# Allegro board 08_038702e.brd (continued)
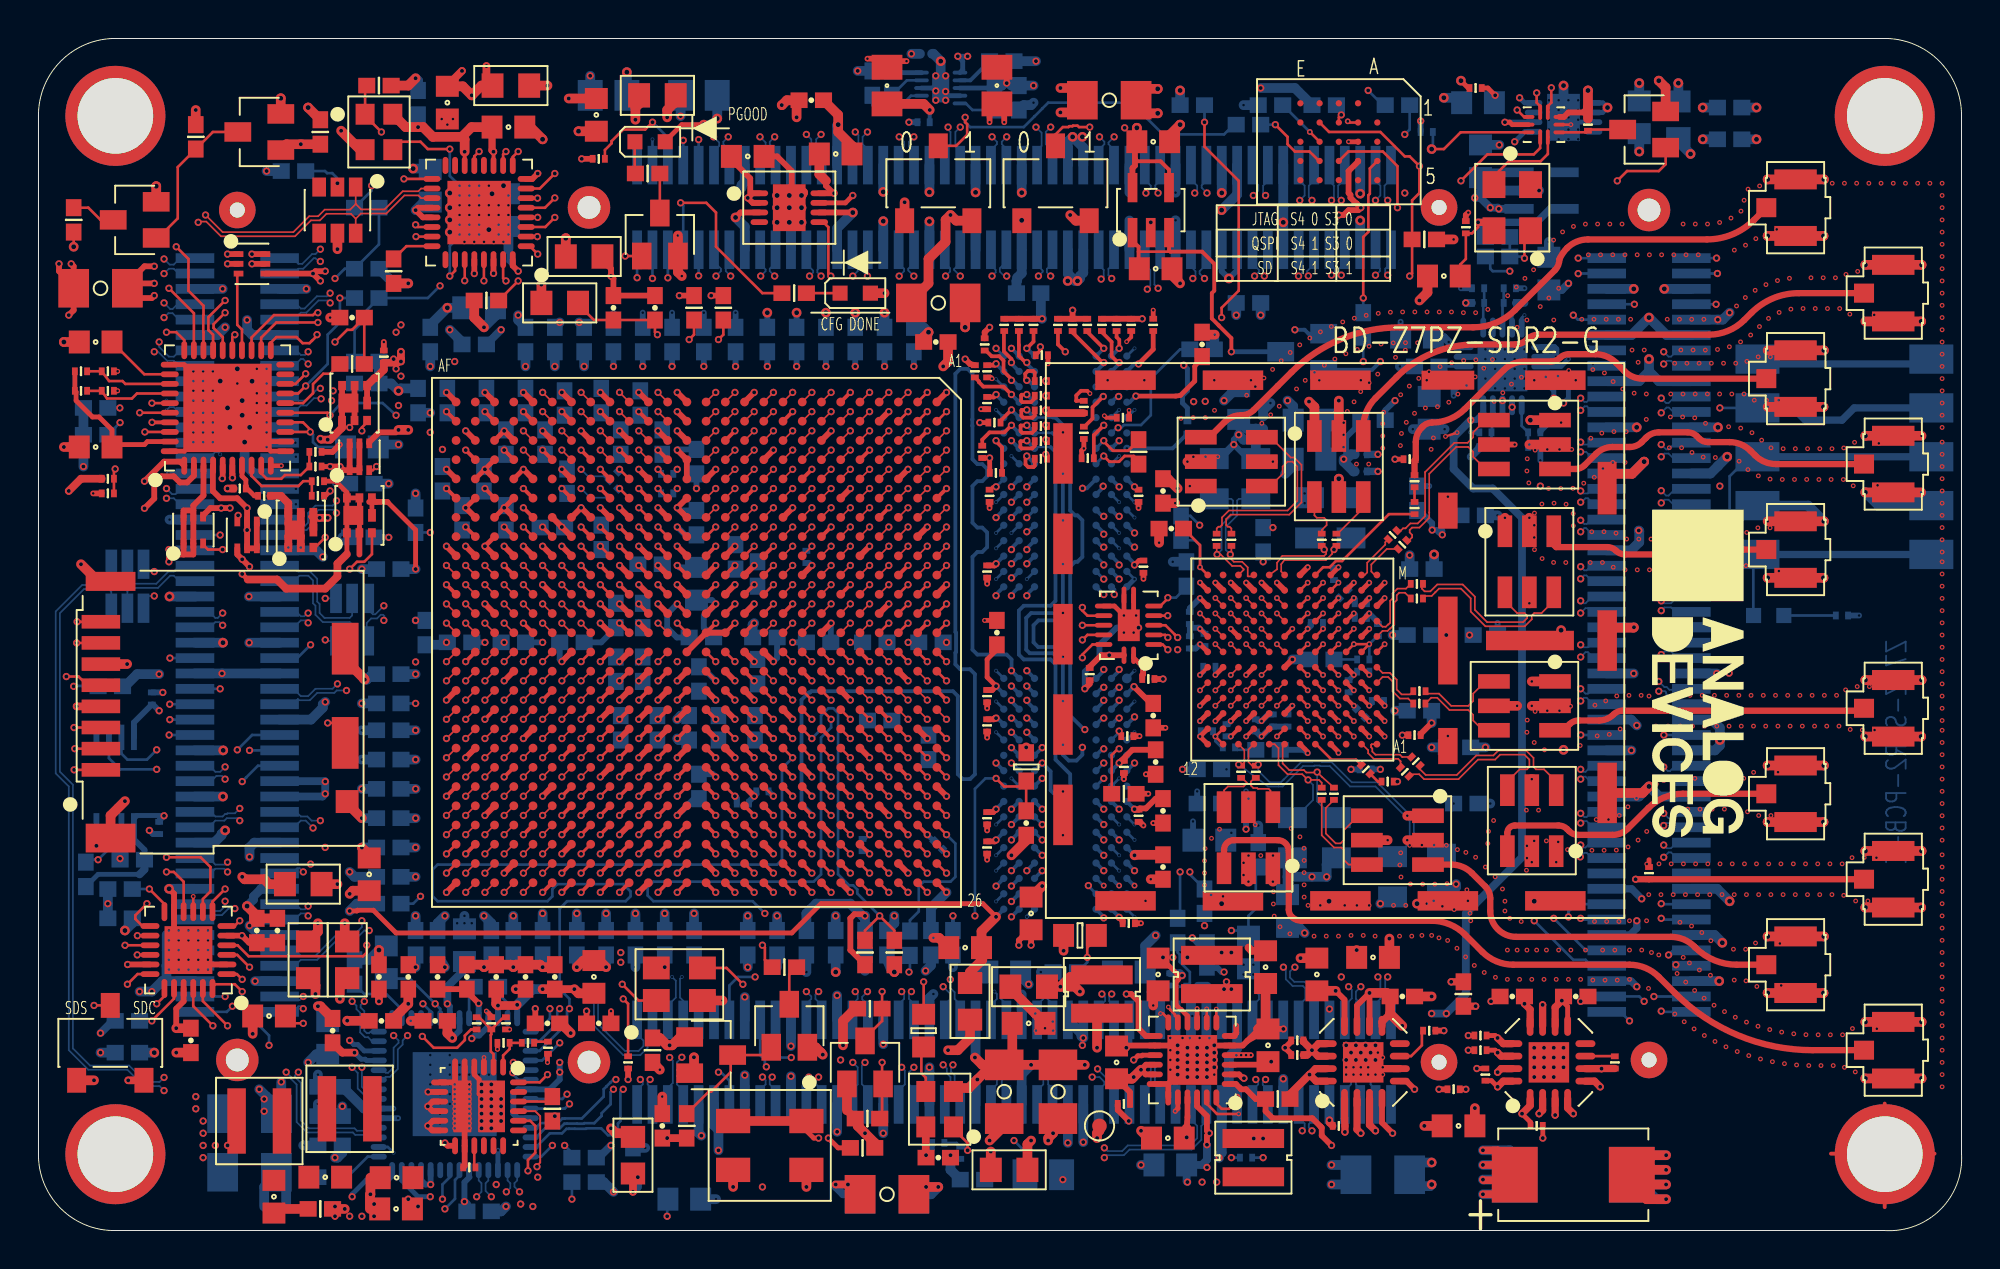
[diagram p0: board, top side]
## Routing (per net, layer and track width the routed paths; a pad name or vN(x,y) marks a point on that pad's centre or on a via; arc(x,y) is an arc through that point) (continued)
  BOTTOM w0.14: R28.2 67.74,58.27 v1(67.74,58.02)
PS_MIO02_500_QSPI0_IO0: length 70.9
  TOP w0.14: U1.E25 v1(43.22,18.59) ; v6(66.11,57.13) U13.D3
  L7_SIG w0.095: v6(66.11,57.13) 68.76,57.13 69.71,58.08 72,58.08 74.35,55.73 74.35,52.31 72.63,50.59 72.63,42.88 72.44,42.69 72.44,38.97 68.89,35.41 68.12,35.41 67.5,34.79 67.47,34.79 67.08,34.4 66.98,34.4 66.3,33.72 66.3,32.77 66.12,32.59 66.02,32.59 63.9,30.47 63.9,30.37 63.72,30.19 63.62,30.19 62.3,28.87 62.3,28.77 62.12,28.59 62.02,28.59 61.5,28.07 61.5,27.97 61.32,27.79 61.22,27.79 60.7,27.27 60.7,27.17 60.52,26.99 60.42,26.99 60,26.57 60,23.86 59.61,23.47 59.51,23.47 58.3,22.25 55.25,22.25 54.57,21.57 49.2,21.57 48.69,21.06 45.17,21.06 43.78,19.67 43.78,19.2 43.22,18.63 v1(43.22,18.59)
  BOTTOM w0.14: R120.1 64.71,58.53 v6(66.11,57.13)
PS_MIO03_500_QSPI0_IO1: length 67.7
  TOP w0.14: U13.D2 67.11,57.13 69.78,57.13 71.05,55.86 71.3,55.86 v1(71.81,55.35) 71.81,53.96 71.43,53.58 R119.1 71.43,49.77 v1(71.3,49.64) ; U1.D25 v1(44.22,18.59)
  L7_SIG w0.095: v1(44.22,18.59) 43.78,18.15 43.17,18.15 42.85,18.47 42.85,19.74 45.04,21.93 47.36,21.93 47.46,21.83 48.69,21.83 49.2,22.33 51.36,22.33 51.74,22.71 58.35,22.71 59.11,23.48 59.11,24.11 59.74,24.75 59.74,27.03 60.1,27.39 60.1,27.42 60.47,27.79 60.52,27.79 60.7,27.97 60.7,28.02 61.07,28.39 61.13,28.39 61.5,28.77 61.5,28.82 62.87,30.19 62.92,30.19 63.1,30.37 63.1,30.42 63.47,30.79 63.53,30.79 63.9,31.17 63.9,31.19 64.31,31.6 64.57,31.6 65.58,32.62 65.58,35.03 66.35,35.8 68.89,35.8 72.19,39.1 72.19,42.75 72.41,42.97 72.41,43.25 72.19,43.47 72.19,45.32 71.17,46.34 71.17,48.87 71.43,49.13 71.43,49.51 v1(71.3,49.64)
PS_MIO04_500_QSPI0_IO2: length 74.3
  TOP w0.14: v1(70.66,53.19) 70.66,55.35 69.9,56.12 68.11,56.12 U13.C4 ; U1.F24 v1(42.22,19.59)
  L7_SIG w0.095: v1(42.22,19.59) 42.22,20.11 41.88,20.45 41.88,20.73 42.17,21.03 42.86,21.03 42.98,21.15 43.26,21.15 43.65,21.54 43.65,21.82 43.98,22.15 44.3,22.15 45.07,22.93 47.36,22.93 47.84,22.45 48.69,22.45 49.02,22.78 51.18,22.78 51.56,23.16 58.16,23.16 58.66,23.66 58.66,24.3 59.3,24.93 59.3,27.6 59.62,27.92 59.62,29.06 60.38,29.83 60.96,29.83 61.7,30.56 61.7,30.62 62.07,30.99 62.18,30.99 62.5,31.31 62.5,31.42 62.67,31.59 62.78,31.59 63.3,32.11 63.3,32.22 63.67,32.59 63.72,32.59 64.1,32.96 64.1,33.02 64.27,33.19 64.33,33.19 64.7,33.57 64.7,33.82 64.7,33.82 64.7,35.29 66.85,37.45 66.85,39.35 67.24,39.73 67.87,39.73 68.25,39.35 68.25,36.94 68.44,36.75 68.82,36.75 71.3,39.22 71.3,44.3 70.28,45.32 70.28,48.88 70.66,49.26 v1(70.66,53.19) 70.66,56.62 v1(71.05,57)
  BOTTOM w0.14: v1(71.05,57) 71.3,57.26 R121.1
PS_MIO05_500_QSPI0_IO3: length 68.3
  TOP w0.14: U1.C26 v1(45.22,17.59) ; v1(64.31,57.51) 64.95,56.88 64.95,56.5 65.33,56.12 66.09,56.12 66.58,55.62 U13.D4
  L7_SIG w0.095: v1(45.22,17.59) 45.22,17.59 44.76,17.13 43.23,17.13 43.11,17.25 43.07,17.25 42.88,17.45 42.88,17.48 42.11,18.25 42.07,18.25 41.88,18.45 41.88,20.13 41.65,20.36 41.65,20.82 42.08,21.25 42.56,21.25 42.88,21.57 42.88,21.73 43.22,22.07 43.48,22.07 43.88,22.47 43.88,22.73 44.07,22.93 44.33,22.93 44.5,23.1 44.7,23.1 44.76,23.15 47.45,23.15 47.63,22.97 48.89,22.97 48.92,23 51.08,23 51.46,23.38 51.58,23.38 52.05,23.85 52.33,23.85 52.81,23.38 54.57,23.38 55.04,23.86 57.58,23.86 58.85,25.13 58.85,28.68 59.23,29.06 59.23,29.32 60.11,30.19 60.52,30.19 60.7,30.37 60.7,30.53 61.16,30.99 61.32,30.99 61.5,31.17 61.5,31.33 61.96,31.79 62.12,31.79 62.3,31.97 62.3,32.13 62.76,32.59 62.92,32.59 63.1,32.77 63.1,32.93 63.56,33.39 63.72,33.39 63.9,33.57 63.9,34.52 64.02,34.64 64.02,35.25 65.58,36.81 65.58,45.7 66.6,46.72 66.6,55.1 65.08,56.62 65.08,56.75 v1(64.31,57.51)
  BOTTOM w0.14: R122.1 v1(64.31,57.51)
PS_MIO06_500_QSPI0_SCLK: length 68.6
  TOP w0.14: v1(60.63,57.64) 60.63,56.37 62.41,54.59 62.41,48.88 61.52,47.99 v1(61.52,47.48) ; U1.F23 v1(42.22,20.59) ; v6(68.08,57.69) 68.12,57.69 68.19,57.62 U13.B2
  L3_SIG w0.095: v1(61.52,47.48) 61.52,47.61 61.27,47.86 55.42,47.86 54.92,47.35 53.01,47.35 52.5,47.86 49.46,47.86 48.82,47.23 48.82,43.42 47.55,42.15 47.17,42.15 46.79,41.76 46.79,22.33 46.53,22.08 45.01,22.08 44.61,21.68 44.61,19.5 44.36,19.25 44.07,19.25 43.25,20.07 42.7,20.07 42.22,20.56 v1(42.22,20.59)
  L17_SIG w0.095: v6(68.08,57.69) 67.89,57.69 67.88,57.68 65.84,57.68 65.37,58.15 61.14,58.15 v1(60.63,57.64)
  BOTTOM w0.14: R116.1 v1(60.63,57.64)
PS_MIO07_500_USB_RESET_B: length 46.4
  TOP w0.14: U1.E23 v1(43.22,20.59) ; U15.27 v1(22.16,49.4)
  L3_SIG w0.095: v1(43.22,20.59) 43.2,20.59 42.76,21.03 40.3,21.03 38.4,22.93 38.32,22.93 38,23.25 37.03,23.25 36.36,23.93 35.41,23.93 35.09,24.25 35.07,24.25 34.88,24.45 34.88,24.47 33.09,26.25 33.07,26.25 31.88,27.45 31.88,27.47 31.09,28.25 31.07,28.25 29.88,29.45 29.88,29.73 29.9,29.75 29.9,30.46 30.79,31.35 30.79,43.92 30.11,44.6 29.76,44.6 29.56,44.8 29.56,45.15 28.12,46.59 27.18,46.59 25.38,48.39 24.21,48.39 23.55,47.73 22.86,47.73 22.15,48.44 22.15,49.38 v1(22.16,49.4)
  BOTTOM w0.14: v1(43.22,20.59) 42.99,20.36 R31.2
PS_MIO08_500_ETH0_RESETN: length 50.9
  TOP w0.14: U1.A24 v1(47.22,19.59)
  L14_SIG w0.095: v3(18.98,4.05) 18.98,3.73 19.93,2.78 24.31,2.78 25.41,3.88 27.24,3.88 27.46,3.66 30.41,3.66 31.04,4.3 32.95,4.3 34.12,5.47 44.09,5.47 v3(45.14,4.43)
  L18_SIG w0.095: v1(47.22,19.59) 47.65,19.16 47.93,19.16 48.06,19.29 48.06,19.99 48.24,20.17 48.51,20.17 48.69,19.99 48.69,17.25 49.07,16.87 49.07,14.46 48.31,13.7 48.31,12.3 45.99,9.98 45.99,7.69 45.26,6.97 45.26,5.82 45.14,5.7 v3(45.14,4.43)
  L19_GND w0.203: v4(18.47,4.05) v3(18.98,4.05)
  BOTTOM w0.14: U10.16 18.17,4.34 v4(18.47,4.05) ; v1(47.22,19.59) 47.01,19.79 R32.2
PS_MIO09_500_USB_CLK_PD: length 57
  TOP w0.14: v1(17.83,57.13) 16.98,57.98 Y3.1 16.98,59.46 R27.1 ; U1.D24 v1(44.22,19.59)
  L3_SIG w0.095: v1(44.22,19.59) 44.22,19.62 43.71,20.12 43.71,21.01 43.48,21.25 42.07,21.25 41.4,21.93 41.36,21.93 41.36,21.93 41.07,21.93 41.07,21.93 40.36,21.93 40.36,21.93 39.93,21.93 39.56,22.31 39.56,22.73 39.36,22.93 39.26,22.93 39.01,23.18 39.01,23.28 38.36,23.93 38.34,23.93 38.28,23.98 36.61,23.98 36.45,24.15 36.17,24.15 31.66,28.67 31.66,31.35 31.65,31.36 31.65,43.82 30.15,45.32 30.15,46.84 29.14,47.86 26.95,47.86 25.55,49.26 25.55,49.79 24.06,51.29 24.06,52.43 19.36,57.13 v1(17.83,57.13)
PS_MIO10_500_JX4: length 42.7
  TOP w0.14: U1.A25 v1(47.22,18.59)
  L15_SIG w0.095: v1(47.22,18.59) 48,18.59 48.57,19.16 52.76,19.16 54.41,17.51 57.84,17.51 58.09,17.76 60.76,17.76 61.27,18.27 64.95,18.27 65.33,17.89 72.82,17.89 73.71,17 76.89,17 77.27,16.62 77.9,16.62 78.54,15.98 78.54,15.86 79.17,15.22 80.32,15.22 80.82,15.73 81.46,15.73 82.22,16.49 84.13,16.49 v1(84.38,16.24)
  BOTTOM w0.14: v1(84.38,16.24) 84.45,16.17 JX4.87
PS_MIO11_500_JX4: length 41.1
  TOP w0.14: U1.B26 v1(46.22,17.59)
  L15_SIG w0.095: v1(80.19,16.24) 80.19,16.87 79.81,17.25 78.79,17.25 76.89,19.16 62.54,19.16 62.03,18.65 61.01,18.65 60.5,18.14 59.11,18.14 58.85,18.4 57.15,18.4 57.13,18.37 54.3,18.37 52.76,19.92 48.19,19.92 47.42,19.16 46.15,19.16 45.77,18.78 45.77,18.03 v1(46.22,17.59)
  BOTTOM w0.14: JX4.88 80.26,16.17 v1(80.19,16.24)
PS_MIO12_500_JX4: length 42.9
  L4_SIG w0.095: v1(45.26,13.44) 45.26,13.06 45.77,12.55 46.28,12.55 47.3,13.57 48.19,13.57 49.46,12.3 53.39,12.3 53.9,12.81 56.82,12.81 57.5,12.13 57.76,12.13 58.85,11.03 70.66,11.03 71.43,11.79 73.46,11.79 75.49,13.82 78.03,13.82 79.68,15.48 79.68,16.18 v1(79.55,16.31)
  BOTTOM w0.14: v1(45.26,13.44) 45.32,13.49 R60.2 ; v1(79.55,16.31) 79.55,16.59 79.94,16.97 JX4.86
PS_MIO13_500_JX4: length 42.9
  TOP w0.14: U1.B25 v1(46.22,18.59)
  L15_SIG w0.095: v1(84.76,14.33) 84.51,14.59 78.03,14.59 76,16.62 71.87,16.62 71.85,16.6 66.5,16.6 66.22,16.87 63.04,16.87 62.54,16.36 57.58,16.36 57.2,16.75 54.66,16.75 53.03,18.37 48.57,18.37 48.33,18.14 46.66,18.14 v1(46.22,18.59)
  BOTTOM w0.14: v1(84.76,14.33) 85,14.57 JX4.91
PS_MIO14_500_JX4: length 48.7
  TOP w0.14: U1.D23 v1(44.22,20.59)
  L15_SIG w0.095: v1(44.22,20.59) 44.22,20.52 43.74,20.05 43.74,18.58 45.07,17.25 45.27,17.25 46.79,15.73 49.2,15.73 49.71,15.22 52.5,15.22 52.88,15.6 57.08,15.6 57.84,14.84 60.63,14.84 61.77,15.98 62.54,15.98 62.66,15.86 65.84,15.86 66.22,16.24 75.87,16.24 78.28,13.82 v1(85.14,13.82)
  BOTTOM w0.14: JX4.93 85.2,13.77 v1(85.14,13.82)
PS_MIO15_500_JX4: length 44.2
  TOP w0.14: U1.C24 v1(45.22,19.59)
  L15_SIG w0.095: v1(45.22,19.59) 45.8,20.17 47.68,20.17 48.19,20.68 52.88,20.68 54.41,19.16 59.1,19.16 59.21,19.05 59.51,19.05 59.62,19.16 62.03,19.16 62.41,19.54 79.3,19.54 79.94,18.9 82.48,18.9 82.84,18.54 82.91,18.61 83.19,18.61 83.39,18.41 83.39,18.13 83.32,18.06 v1(84.38,17)
  BOTTOM w0.14: JX4.85 84.41,16.97 v1(84.38,17)
PS_MIO16_501_ETH0_TX_CLK: length 51.3
  TOP w0.14: U1.G21 v1(41.22,22.59)
  L17_SIG w0.095: v1(41.22,22.59) 41.2,22.59 40.54,21.93 37.73,21.93 37.47,22.19 36.96,22.19 36.92,22.15 36.9,22.16 36.61,22.16 36.42,21.97 36.42,21.93 35.49,21.93 35.42,22 31.21,22 31.14,21.93 31.07,21.93 29.64,20.5 29.64,17.25 29.9,17 29.9,16.36 30.53,15.73 33.2,15.73 33.71,16.24 33.71,18.73 34.01,19.03 34.43,19.03 34.72,18.73 34.72,15.98 33.83,15.09 31.17,15.09 30.91,14.84 30.91,13.7 30.66,13.44 30.15,13.44 29.9,13.19 29.9,11.92 30.15,11.67 30.41,11.67 30.66,11.41 30.66,11.16 30.41,10.9 28.22,10.9 28.01,10.7 28.01,10.34 28.22,10.14 30.15,10.14 30.41,9.89 30.41,8.36 30.02,7.98 v1(30.02,7.86)
  BOTTOM w0.14: v1(30.02,7.86) 29.9,7.86 29.75,7.71 29.75,7.71 29.54,7.5 29.54,7.49 29.39,7.35 29.39,6.97 28.25,5.83 27.37,5.83 27.36,5.82 27.23,5.82 27,5.59 26.11,5.59 25.86,5.34 U10.53
PS_MIO17_501_ETH0_TX_D0: length 52.1
  TOP w0.14: U1.G17 v1(41.22,26.59)
  L18_SIG w0.095: v1(37.77,16.49) 37.26,15.98 37.26,14.59 39.3,12.55 39.3,11.54 39.68,11.16 39.68,7.22 39.3,6.84 36.12,6.84 35.8,7.16 35.8,8.3 35.49,8.62 30.28,8.62 28.8,7.14 28.02,7.14 27.97,7.09 v1(27.48,7.09)
  BOTTOM w0.14: v1(41.22,26.59) 41.22,26.16 40.69,25.64 40.69,18.52 40.31,18.14 31.97,18.14 31.68,17.84 31.68,17.42 31.97,17.13 37.14,17.13 v1(37.77,16.49) ; U10.50 27.23,6.84 v1(27.48,7.09)
PS_MIO18_501_ETH0_TX_D1: length 50.3
  TOP w0.14: U1.G20 v1(41.22,23.59)
  L17_SIG w0.095: v3(41.71,6.46) 41.33,6.46 41.2,6.59 39.68,6.59 39.17,7.09 38.91,7.09 38.28,6.46 37.26,6.46 37.01,6.71 37.01,7.22 37.26,7.47 38.66,7.47 38.79,7.6 38.79,8.11 38.41,8.49 38.3,8.49 38.19,8.6 38.19,8.91 38.41,9.13 38.41,9.76 38.03,10.14 37.77,10.14 37.64,10.01 37.64,9.76 37.96,9.45 37.96,9.31 37.84,9.19 37.7,9.19 37.26,9.63 37.26,10.01 37.14,10.14 36.88,10.14 36.76,10.01 36.76,9.25 36.88,9.13 37.26,9.13 37.51,8.88 37.51,8.48 37.26,8.24 37.26,7.98 37.01,7.73 36.63,7.73 36.37,7.47 36.37,6.84 36.12,6.59 35.74,6.59 35.49,6.84 35.49,7.09 35.23,7.35 34.85,7.35 34.6,7.09 34.6,6.84 34.34,6.59 29.14,6.59 28.88,6.33 27.87,6.33 v1(27.61,6.59)
  L18_SIG w0.095: v1(41.22,23.59) 41.62,23.18 41.62,21.31 41.61,21.3 41.61,18.51 41.58,18.47 41.58,17.25 40.57,16.24 40.57,13.19 40.95,12.81 40.95,11.79 40.31,11.16 40.31,9 40.69,8.62 41.07,8.62 41.79,7.9 41.79,6.83 41.71,6.74 v3(41.71,6.46)
  BOTTOM w0.14: U10.51 27.37,6.34 v1(27.61,6.59)
PS_MIO19_501_ETH0_TX_D2: length 50.5
  TOP w0.14: U1.G19 v1(41.22,24.59)
  L17_SIG w0.095: v3(41.45,6.97) 41.84,7.35 41.84,7.89 41.61,8.11 41.3,8.11 41.07,7.89 41.07,7.09 40.82,6.84 40.31,6.84 39.68,7.47 39.68,9.63 38.79,10.52 36.63,10.52 36.37,10.27 36.37,9.25 36.12,9 36.12,7.98 35.87,7.73 35.1,7.73 34.85,7.98 34.85,8.43 34.66,8.62 34.4,8.62 34.22,8.43 34.22,7.09 33.96,6.84 33.83,6.84 33.58,7.09 33.58,8.43 33.39,8.62 33.13,8.62 32.95,8.43 32.95,7.09 32.69,6.84 30.41,6.84 v1(29.9,7.35)
  L18_SIG w0.095: v3(41.45,6.97) 41.45,7.86 40.95,8.36 40.57,8.36 40.06,8.87 40.06,11.41 39.55,11.92 39.55,13.09 40.31,13.85 40.31,16.62 40.69,17 40.69,24.07 v1(41.22,24.59)
  BOTTOM w0.14: U10.54 25.87,4.84 26.35,5.32 27.11,5.32 27.34,5.56 27.47,5.56 27.48,5.56 28,5.56 28,5.56 28.36,5.56 28.38,5.58 28.9,5.58 29.28,5.96 29.28,6.1 29.75,6.57 29.75,7.2 v1(29.9,7.35)
PS_MIO20_501_ETH0_TX_D3: length 52
  TOP w0.14: U1.H19 v1(40.22,24.59)
  L17_SIG w0.095: v3(38.28,14.84) 37.9,14.46 32.18,14.46 31.29,13.57 v3(31.29,11.67) 37.26,11.67 37.52,11.41 37.52,11.16 37.26,10.9 34.6,10.9 34.34,10.65 34.34,10.14 34.6,9.89 35.63,9.89 35.87,9.65 35.87,9.41 35.61,9.15 34.42,9.15 33.45,10.12 33.45,10.65 33.2,10.9 31.55,10.9 31.29,10.65 31.29,9.25 32.44,8.11 32.44,7.73 32.06,7.35 v1(30.41,7.35)
  L18_SIG w0.095: v3(38.28,14.84) 39.8,16.36 39.8,23.86 40.22,24.27 v1(40.22,24.59)
  BOTTOM w0.14: v1(30.41,7.35) 30.26,7.2 30.26,5.7 30.13,5.57 30.13,5.17 29.92,4.95 29.62,4.95 29.26,5.32 28.49,5.32 28.47,5.29 27.89,5.29 27.89,5.3 27.59,5.3 27.58,5.29 27.46,5.29 27.22,5.06 26.59,5.06 25.88,4.34 U10.55
PS_MIO21_501_ETH0_TX_CTL: length 50.6
  TOP w0.14: U1.F22 v1(42.22,21.59)
  L17_SIG w0.095: v1(26.72,4.43) 26.72,4.55 27.61,5.44 28.12,5.44 29.52,4.05 30.15,4.05 32.18,6.08 42.47,6.08 42.72,6.33 42.72,7.73 42.98,7.98 46.95,7.98 47.17,7.76 47.17,7.44 46.95,7.22 45.35,7.22 45.01,6.88 45.01,6.33 44.76,6.08 44.5,6.08 44.25,6.33 44.25,6.97 43.99,7.22 43.36,7.22 43.23,7.09 43.23,6.71 v3(43.61,6.33)
  L18_SIG w0.095: v3(43.61,6.33) 43.61,7.73 43.36,7.98 42.09,7.98 41.19,8.88 41.19,13.14 41.05,13.28 41.05,14.56 41.84,15.35 41.84,21.21 v1(42.22,21.59)
  BOTTOM w0.14: v1(26.72,4.43) 26.14,3.84 U10.56
PS_MIO22_501_ETH0_RX_CLK: length 52.4
  TOP w0.14: U1.G22 v1(41.22,21.59)
  L4_SIG w0.095: v1(41.22,21.59) 40.84,21.59 40.18,20.94 39.04,20.94 38.55,20.45 38.55,20.45 38.15,20.05 38.04,20.05 v3(37.71,19.72)
  L18_SIG w0.095: v3(37.71,19.72) 37.77,19.65 37.77,17.31 38.03,17.05 38.33,17.05 38.75,17.47 38.75,21.99 38.53,22.21 37.9,22.21 37.77,22.08 37.77,20.3 37.52,20.05 37.01,20.05 36.76,19.79 36.76,18.52 36.5,18.27 36.38,18.27 36.36,18.25 36.07,18.25 36.05,18.27 35.38,18.27 35.36,18.25 35.07,18.25 35.05,18.27 34.09,18.27 33.83,18.02 33.83,17.51 34.09,17.25 35.07,17.25 35.07,17.25 35.36,17.25 35.36,17.25 36.07,17.25 36.07,17.25 36.51,17.25 36.76,17 36.76,16.72 36.54,16.5 36.54,16.15 36.12,15.73 36.12,11.79 38.66,9.25 38.66,7.35 38.41,7.09 36.25,7.09 36.1,7.24 36.1,8.73 34.44,10.4 28.37,10.4 27.74,9.76 v1(27.1,9.76)
  BOTTOM w0.14: v1(27.1,9.76) 26.19,8.84 U10.46
PS_MIO23_501_ETH0_RX_D0: length 50.1
  TOP w0.14: U1.F20 v1(42.22,23.59)
  L17_SIG w0.095: v1(27.1,11.54) 27.74,12.17 29.39,12.17 29.41,12.19 29.41,12.19 29.64,12.42 29.64,12.94 29.26,13.32 27.74,13.32 27.36,13.7 27.36,15.09 27.1,15.35 27.1,15.6 27.61,16.11 27.61,18.78 27.36,19.03 26.85,19.03 26.6,19.29 26.6,19.79 26.85,20.05 27.36,20.05 27.61,20.3 27.61,20.78 27.74,20.9 28.05,20.9 28.07,20.93 28.36,20.93 28.56,20.73 28.56,17.45 28.5,17.39 28.5,16.36 29.01,15.86 29.01,15.48 28.75,15.22 28.12,15.22 27.87,14.97 27.87,14.33 28.12,14.08 29.39,14.08 29.64,14.33 29.64,15.73 28.88,16.5 28.88,20.8 29,20.93 29.35,20.93 29.78,21.36 29.78,21.63 30.07,21.93 30.35,21.93 30.67,22.25 31.36,22.25 32.04,22.93 41.54,22.93 42.2,23.59 v1(42.22,23.59)
  BOTTOM w0.14: U10.44 26.04,9.84 26.98,10.78 26.98,11.41 v1(27.1,11.54)
PS_MIO24_501_ETH0_RX_D1: length 50.1
  TOP w0.14: U1.J19 v1(39.22,24.59)
  BOTTOM w0.14: v1(39.22,24.59) 38.66,24.03 38.66,19.29 38.41,19.03 20.75,19.03 20.5,18.78 20.5,17.38 20.75,17.13 26.47,17.13 26.72,17.38 26.72,17.76 26.98,18.02 30.41,18.02 30.79,17.63 30.79,17.38 30.53,17.13 27.48,17.13 27.1,16.75 27.1,12.55 27.61,12.05 v1(27.61,11.54) 27.48,11.41 27.48,10.78 26.05,9.34 U10.45
PS_MIO25_501_ETH0_RX_D2: length 51.4
  TOP w0.14: U1.F19 v1(42.22,24.59)
  L7_SIG w0.095: v1(42.22,24.59) 41.7,24.59 40.36,23.25 40.34,23.25 39.68,22.59 39.68,22.46 39.14,21.93 39.07,21.93 38.88,21.73 38.88,21.66 38.28,21.06 37.26,21.06 36.88,21.45 36.88,21.7 v3(36.76,21.83)
  L18_SIG w0.095: v1(24.69,8.74) 24.94,9 24.94,10.01 25.69,10.76 34.43,10.76 36.39,8.8 36.39,7.94 36.59,7.74 37.02,7.74 37.26,7.98 37.26,8.26 37.48,8.48 37.48,8.76 37.39,8.84 37.39,9.63 35.61,11.41 35.61,16.62 35.36,16.87 30.79,16.87 30.66,17 30.66,18.02 30.89,18.25 32.56,18.25 32.82,18.5 32.82,19.67 32.88,19.72 32.88,19.73 33.07,19.93 33.08,19.93 33.33,20.17 34.22,20.17 34.47,19.92 34.47,19.29 34.72,19.03 35.36,19.03 35.61,19.29 35.61,20.47 36.07,20.93 36.37,20.93 36.76,21.32 v3(36.76,21.83)
  BOTTOM w0.14: U10.47 25.09,8.34 v1(24.69,8.74)
PS_MIO26_501_ETH0_RX_D3: length 50.3
  TOP w0.14: U1.H17 v1(40.22,26.59)
  L15_SIG w0.095: v1(40.22,26.59) 39.74,26.59 37.88,24.73 37.88,24.47 37.39,23.98 34.98,23.98 34.6,23.6 34.6,19.73 35.07,19.25 35.14,19.25 35.87,18.52 35.87,17.13 v3(35.23,16.49) 34.85,16.87 27.61,16.87 26.72,15.98 v3(26.21,15.98)
  L17_SIG w0.095: v1(24.66,8.21) 25.05,8.21 25.45,8.62 25.45,10.52 25.07,10.9 18.34,10.9 18.04,11.2 18.04,12.06 17.58,12.53 17.58,12.81 17.83,13.06 20.25,13.06 20.5,12.81 21.9,12.81 22.28,13.19 23.17,13.19 23.55,12.81 24.31,12.81 24.63,13.13 25.39,13.13 25.71,13.44 25.71,13.95 26.21,14.46 v3(26.21,15.98)
  BOTTOM w0.14: v1(24.66,8.21) 24.66,8.13 24.96,7.84 U10.48
PS_MIO27_501_ETH0_RX_CTL: length 51.4
  TOP w0.14: U1.F18 v1(42.22,25.59)
  L6_SIG w0.095: v1(42.22,25.59) 41.75,25.13 34.72,25.13 34.22,24.62 v3(34.22,24.59)
  L17_SIG w0.095: v3(34.22,24.59) 34.22,24.24 33.56,23.58 33.56,23.45 33.36,23.25 33.07,23.25 32.88,23.45 32.56,23.45 32.36,23.25 32.07,23.25 31.88,23.45 31.56,23.45 31.36,23.25 31.17,23.25 30.56,22.64 30.56,22.45 30.36,22.25 30.07,22.25 29.56,21.73 29.56,21.45 29.36,21.25 26.91,21.25 26.72,21.06 26.72,20.43 26.47,20.17 24.99,20.17 24.69,19.88 24.69,19.46 24.99,19.16 25.45,19.16 25.71,18.9 25.71,18.4 25.45,18.14 22.99,18.14 22.66,17.81 22.66,14.46 22.91,14.21 23.67,14.21 23.93,14.46 23.93,16.75 24.18,17 26.47,17 26.72,16.75 26.72,15.86 26.6,15.73 26.6,12.3 26.21,11.92 26.21,10.4 25.83,10.01 25.83,8.71 26.06,8.49 26.37,8.49 26.6,8.71 v1(26.6,11.54)
  BOTTOM w0.14: v1(26.6,11.54) 26.6,11.03 25.91,10.34 U10.43
PS_MIO28_501_USB0_D4: length 45.9
  TOP w0.14: v1(26.85,54.97) 26.07,54.19 U15.7 ; U1.J18 v1(39.22,25.59)
  L3_SIG w0.095: v1(39.22,25.59) 39.59,25.97 40.62,25.97 40.77,25.81 40.77,25.2 40.51,24.93 38.76,24.93 38.56,25.13 38.56,25.86 38.33,26.09 38.08,26.09 37.56,26.61 37.56,26.73 37.36,26.93 37.24,26.93 36.63,27.54 36.63,28.68 34.15,31.16 33.9,31.16 33.58,31.48 33.58,31.73 32.82,32.49 32.82,44.27 32.38,44.71 32.38,44.87 31.42,45.83 31.42,47.48 29.9,49 28.53,49 28.26,49.27 28.26,50.39 27.99,50.65 26.98,50.65 26.72,50.91 26.72,52.33 26.42,52.64 26.42,53.93 26.65,54.16 27.61,54.16 27.79,54.33 27.79,54.47 27.64,54.62 26.95,54.62 26.87,54.69 26.87,54.95 v1(26.85,54.97)
PS_MIO29_501_USB0_DIR: length 46.8
  TOP w0.14: U15.31 24.16,49.53 v1(24.31,49.38) ; U1.E20 v1(43.22,23.59)
  L15_SIG w0.095: v3(41.2,30.59) 41.88,29.91 41.88,29.45 42.72,28.6 42.72,24.11 43.22,23.62 v1(43.22,23.59)
  L17_SIG w0.095: v3(41.2,30.59) 41.07,30.72 40.06,30.72 39.68,31.1 39.68,32.87 39.42,33.13 34.85,33.13 34.47,33.51 34.47,37.19 33.58,38.08 33.07,38.08 32.55,38.6 32.55,38.73 32.36,38.93 32.23,38.93 31.8,39.35 31.8,43.8 31.29,44.3 22.91,44.3 22.02,45.19 22.02,48.62 22.4,49 23.93,49 v1(24.31,49.38)
PS_MIO30_501_USB0_STP: length 50.2
  TOP w0.14: U15.29 v1(23.16,49.39) ; U1.K19 v1(38.22,24.59)
  L3_SIG w0.095: v1(33.22,29.59) 33.83,28.97 33.83,28.56 34.88,27.51 34.88,27.45 37.74,24.59 v1(38.22,24.59)
  L15_SIG w0.095: v1(23.16,49.39) 23.55,49 23.55,45.7 24.94,44.3 25.58,44.3 25.96,44.69 25.96,45.57 25.58,45.96 25.58,49.89 25.96,50.27 27.23,50.27 27.61,49.89 27.61,44.81 26.72,43.92 26.72,32.49 27.29,31.93 27.36,31.93 29.55,29.73 29.55,29.32 29.94,28.94 30.43,28.94 30.52,28.85 30.8,28.85 30.89,28.94 32.63,28.94 33.01,29.32 33.01,29.38 v1(33.22,29.59)
PS_MIO31_501_USB0_NXT: length 45.9
  TOP w0.14: U15.2 v1(25.94,51.69) ; U1.E21 v1(43.22,22.59)
  L3_SIG w0.095: v1(25.94,51.69) 25.35,51.69 25.07,51.42 25.07,50.78 27.61,48.24 29.39,48.24 30.66,46.97 30.66,45.32 31.08,44.9 31.08,44.8 31.88,44 31.88,31.45 31.93,31.39 31.93,30.72 32.77,29.87 32.77,28.51 36.55,24.73 36.55,24.69 37.04,24.21 38.39,24.21 38.61,23.98 39.02,23.98 39.04,23.97 40.53,23.97 40.69,23.81 40.69,22.46 40.97,22.18 41.48,22.18 41.66,22.36 41.66,23.75 41.99,24.09 42.47,24.09 42.8,23.75 42.8,23.15 43.22,22.74 v1(43.22,22.59)
PS_MIO32_501_USB0_D0: length 46.8
  TOP w0.14: U15.3 26.35,52.19 v1(26.85,52.69) ; U1.K17 v1(38.22,26.59)
  L3_SIG w0.095: v1(26.85,52.69) 26.85,52.52 26.94,52.43 26.94,51.29 27.07,51.16 28.27,51.16 28.4,51.29 28.4,51.34 28.53,51.47 28.7,51.47 28.86,51.31 28.86,49.44 28.98,49.31 29.24,49.31 29.41,49.49 29.41,51.54 29.54,51.67 31.42,51.67 31.55,51.54 31.55,51.16 31.42,51.04 30.25,51.04 30.13,50.91 30.13,49.38 31.8,47.71 31.8,45.96 32.61,45.15 32.61,44.8 32.8,44.6 33.16,44.6 33.71,44.05 33.71,38.87 33.65,38.82 33.65,32.63 34.6,31.69 34.6,31.41 34.78,31.22 35.06,31.22 37.62,28.67 37.66,28.67 39.36,26.96 39.47,26.96 39.63,26.8 39.63,26.41 39.41,26.19 39.1,26.19 38.88,26.41 38.88,26.92 38.61,27.18 38.08,27.18 37.95,27.06 37.95,26.85 v1(38.22,26.59)
PS_MIO33_501_USB0_D1: length 46.4
  TOP w0.14: U1.E22 v1(43.22,21.59) ; U15.4 v1(25.96,52.69)
  L3_SIG w0.095: v1(43.22,21.59) 43.25,21.59 43.74,22.08 43.74,24.59 43.18,25.15 42.93,25.15 42.6,25.48 42.6,25.84 42.34,26.09 42.06,26.09 41.76,25.79 41.76,24.39 41.56,24.19 39.14,24.19 35.88,27.45 35.88,28.17 35.56,28.49 35.56,28.73 32.56,31.73 32.56,44.18 31.76,44.98 31.76,45.08 31.56,45.28 31.46,45.28 31.04,45.7 31.04,47.23 29.64,48.62 28.25,48.62 26.47,50.4 26.47,51.92 25.96,52.44 v1(25.96,52.69)
PS_MIO34_501_USB0_D2: length 45.7
  TOP w0.14: U1.J16 v1(39.22,27.59) ; U15.5 26.34,53.19 v1(26.85,53.7)
  L3_SIG w0.095: v1(39.22,27.59) 39.62,27.18 40.46,27.18 40.68,26.97 40.68,26.36 40.9,26.14 41.51,26.14 41.78,26.41 41.78,26.55 40.39,27.93 40.04,27.93 40.03,27.94 38.86,27.94 38.56,28.25 38.56,28.73 38.36,28.93 38.07,28.93 37.56,29.45 37.56,29.73 37.36,29.93 36.88,29.93 35.99,30.81 35.99,31.1 35.56,31.53 35.56,31.73 34.22,33.07 34.22,38.11 33.88,38.45 33.88,38.73 34.22,39.07 34.22,44.43 32.82,45.83 32.82,47.23 30.41,49.64 30.41,49.89 30.66,50.15 31.17,50.15 32.06,51.04 32.06,51.54 31.04,52.56 29.92,52.56 29.16,51.8 27.87,51.8 27.36,52.31 27.36,52.94 26.85,53.45 v1(26.85,53.7)
PS_MIO35_501_USB0_D3: length 45.9
  TOP w0.14: U15.6 v1(25.95,53.69) ; U1.D19 v1(44.22,24.59)
  L3_SIG w0.095: v1(25.95,53.69) 25.34,53.69 24.94,54.08 24.94,54.93 25.34,55.33 27.26,55.33 27.48,55.1 28.88,55.1 32.44,51.54 32.44,50.91 31.55,50.02 31.55,49 33.27,47.28 33.27,46.1 34.26,45.12 34.26,44.8 34.55,44.5 34.55,38.45 34.47,38.36 34.47,33.82 40.13,28.15 41.13,28.15 42.56,26.73 42.56,26.45 43.07,25.93 43.36,25.93 43.56,25.73 43.56,25.25 v1(44.22,24.59)
PS_MIO36_501_USB0_CLK: length 51.7
  TOP w0.14: v1(25.96,50.78) 25.55,51.19 U15.1 ; U1.K16 v1(38.22,27.59)
  L18_SIG w0.095: v1(25.96,50.78) 25.45,51.29 25.45,53.7 24.18,54.97 23.29,54.97 22.53,55.73 22.53,56.37 22.91,56.75 25.2,56.75 25.6,56.35 26.24,56.35 27.23,55.35 27.23,52.56 29.39,50.4 29.39,47.23 30.79,45.83 30.79,44.69 31.42,44.05 31.93,44.05 32.05,43.93 32.36,43.93 32.82,43.47 32.82,40.49 32.25,39.93 32.07,39.93 31.88,39.73 31.88,39.55 31.29,38.97 31.04,38.97 30.79,38.72 30.79,34.27 31.04,34.02 32.69,34.02 32.88,33.83 32.88,33.45 33.07,33.25 33.21,33.25 34.34,32.11 34.34,30.97 34.85,30.46 37.39,30.46 37.64,30.21 37.64,28.16 v1(38.22,27.59)
PS_MIO37_501_USB0_D5: length 45.9
  TOP w0.14: U1.D20 v1(44.22,23.59) ; v1(24.94,56.12) 24.66,55.83 U15.9
  L3_SIG w0.095: v1(24.94,56.12) 25.45,56.12 25.96,55.61 27.6,55.61 27.78,55.43 28.07,55.43 28.11,55.39 28.39,55.39 28.42,55.43 28.96,55.43 32.69,51.7 32.69,50.65 32.31,50.27 32.31,48.88 33.49,47.69 33.49,46.2 33.69,46 34.37,46 34.94,45.43 34.94,44.8 34.88,44.74 34.88,43.45 35.07,43.25 35.07,42.93 34.88,42.73 34.88,34.45 35.4,33.93 40.07,29.25 40.13,29.25 40.45,28.93 41.36,28.93 44.56,25.73 44.56,25.58 44.63,25.51 44.63,24 v1(44.22,23.59)
PS_MIO38_501_USB0_D6: length 47.5
  TOP w0.14: v1(24.31,56.12) 24.16,55.97 U15.10 ; U1.D21 v1(44.22,22.59)
  L3_SIG w0.095: v1(44.22,22.59) 44.88,23.25 44.88,25.73 44.88,25.74 44.88,26.14 44.56,26.47 44.56,26.73 41.36,29.93 40.59,29.93 39.27,31.25 39.07,31.25 35.61,34.71 35.61,45.32 35.16,45.77 35.13,45.77 34.8,46.1 34.8,46.14 34.22,46.72 34.22,48.37 33.2,49.38 33.2,51.7 28.4,56.5 26.53,56.5 26.38,56.35 26.05,56.35 25.9,56.5 24.69,56.5 v1(24.31,56.12)
PS_MIO39_501_USB0_D7: length 50.8
  TOP w0.14: U1.C21 v1(45.22,22.59) ; v1(22.91,56.12) 22.66,55.87 U15.13
  L3_SIG w0.095: v1(45.22,22.59) 45.56,22.93 45.56,26.73 41.95,30.33 41.43,30.33 41.34,30.25 41.06,30.25 40.97,30.33 40.95,30.33 39.56,31.73 39.56,31.73 35.87,35.42 35.87,45.57 35.44,46 35.22,46 35.02,46.2 35.02,46.42 34.6,46.84 34.6,48.62 33.58,49.64 33.58,52.41 28.22,57.77 24.56,57.77 v1(22.91,56.12)
PS_MIO40_501_SD0_CLK: length 69.6
  TOP w0.14: U11.9 v2(8.05,17.38) ; U1.C22 v1(45.22,21.59)
  L2_GND w0.203: v2(8.05,17.38) v3(8.43,17.76)
  L18_SIG w0.095: v1(45.22,21.59) 45.74,21.59 46.07,21.93 47.36,21.93 47.55,21.73 47.55,21.45 47.36,21.25 47.07,21.25 46.55,20.73 46.55,20.45 46.36,20.25 45.36,20.25 44.76,19.65 44.76,17.25 45.01,17 45.01,15.86 43.87,14.71 43.87,13.32 44.38,12.81 44.38,9.38 44.25,9.25 44.25,6.2 43.66,5.62 36.12,5.62 34.93,4.43 32.31,4.43 30.28,6.46 29.52,6.46 28.75,5.7 27.48,5.7 27.1,5.32 26.72,5.32 23.81,8.23 23.03,8.23 21.9,9.36 21.9,10.27 20.75,11.41 15.67,11.41 15.42,11.16 9.96,11.16 8.43,12.68 v3(8.43,17.76)
